# KiCad board FC_Board_v3.kicad_pcb
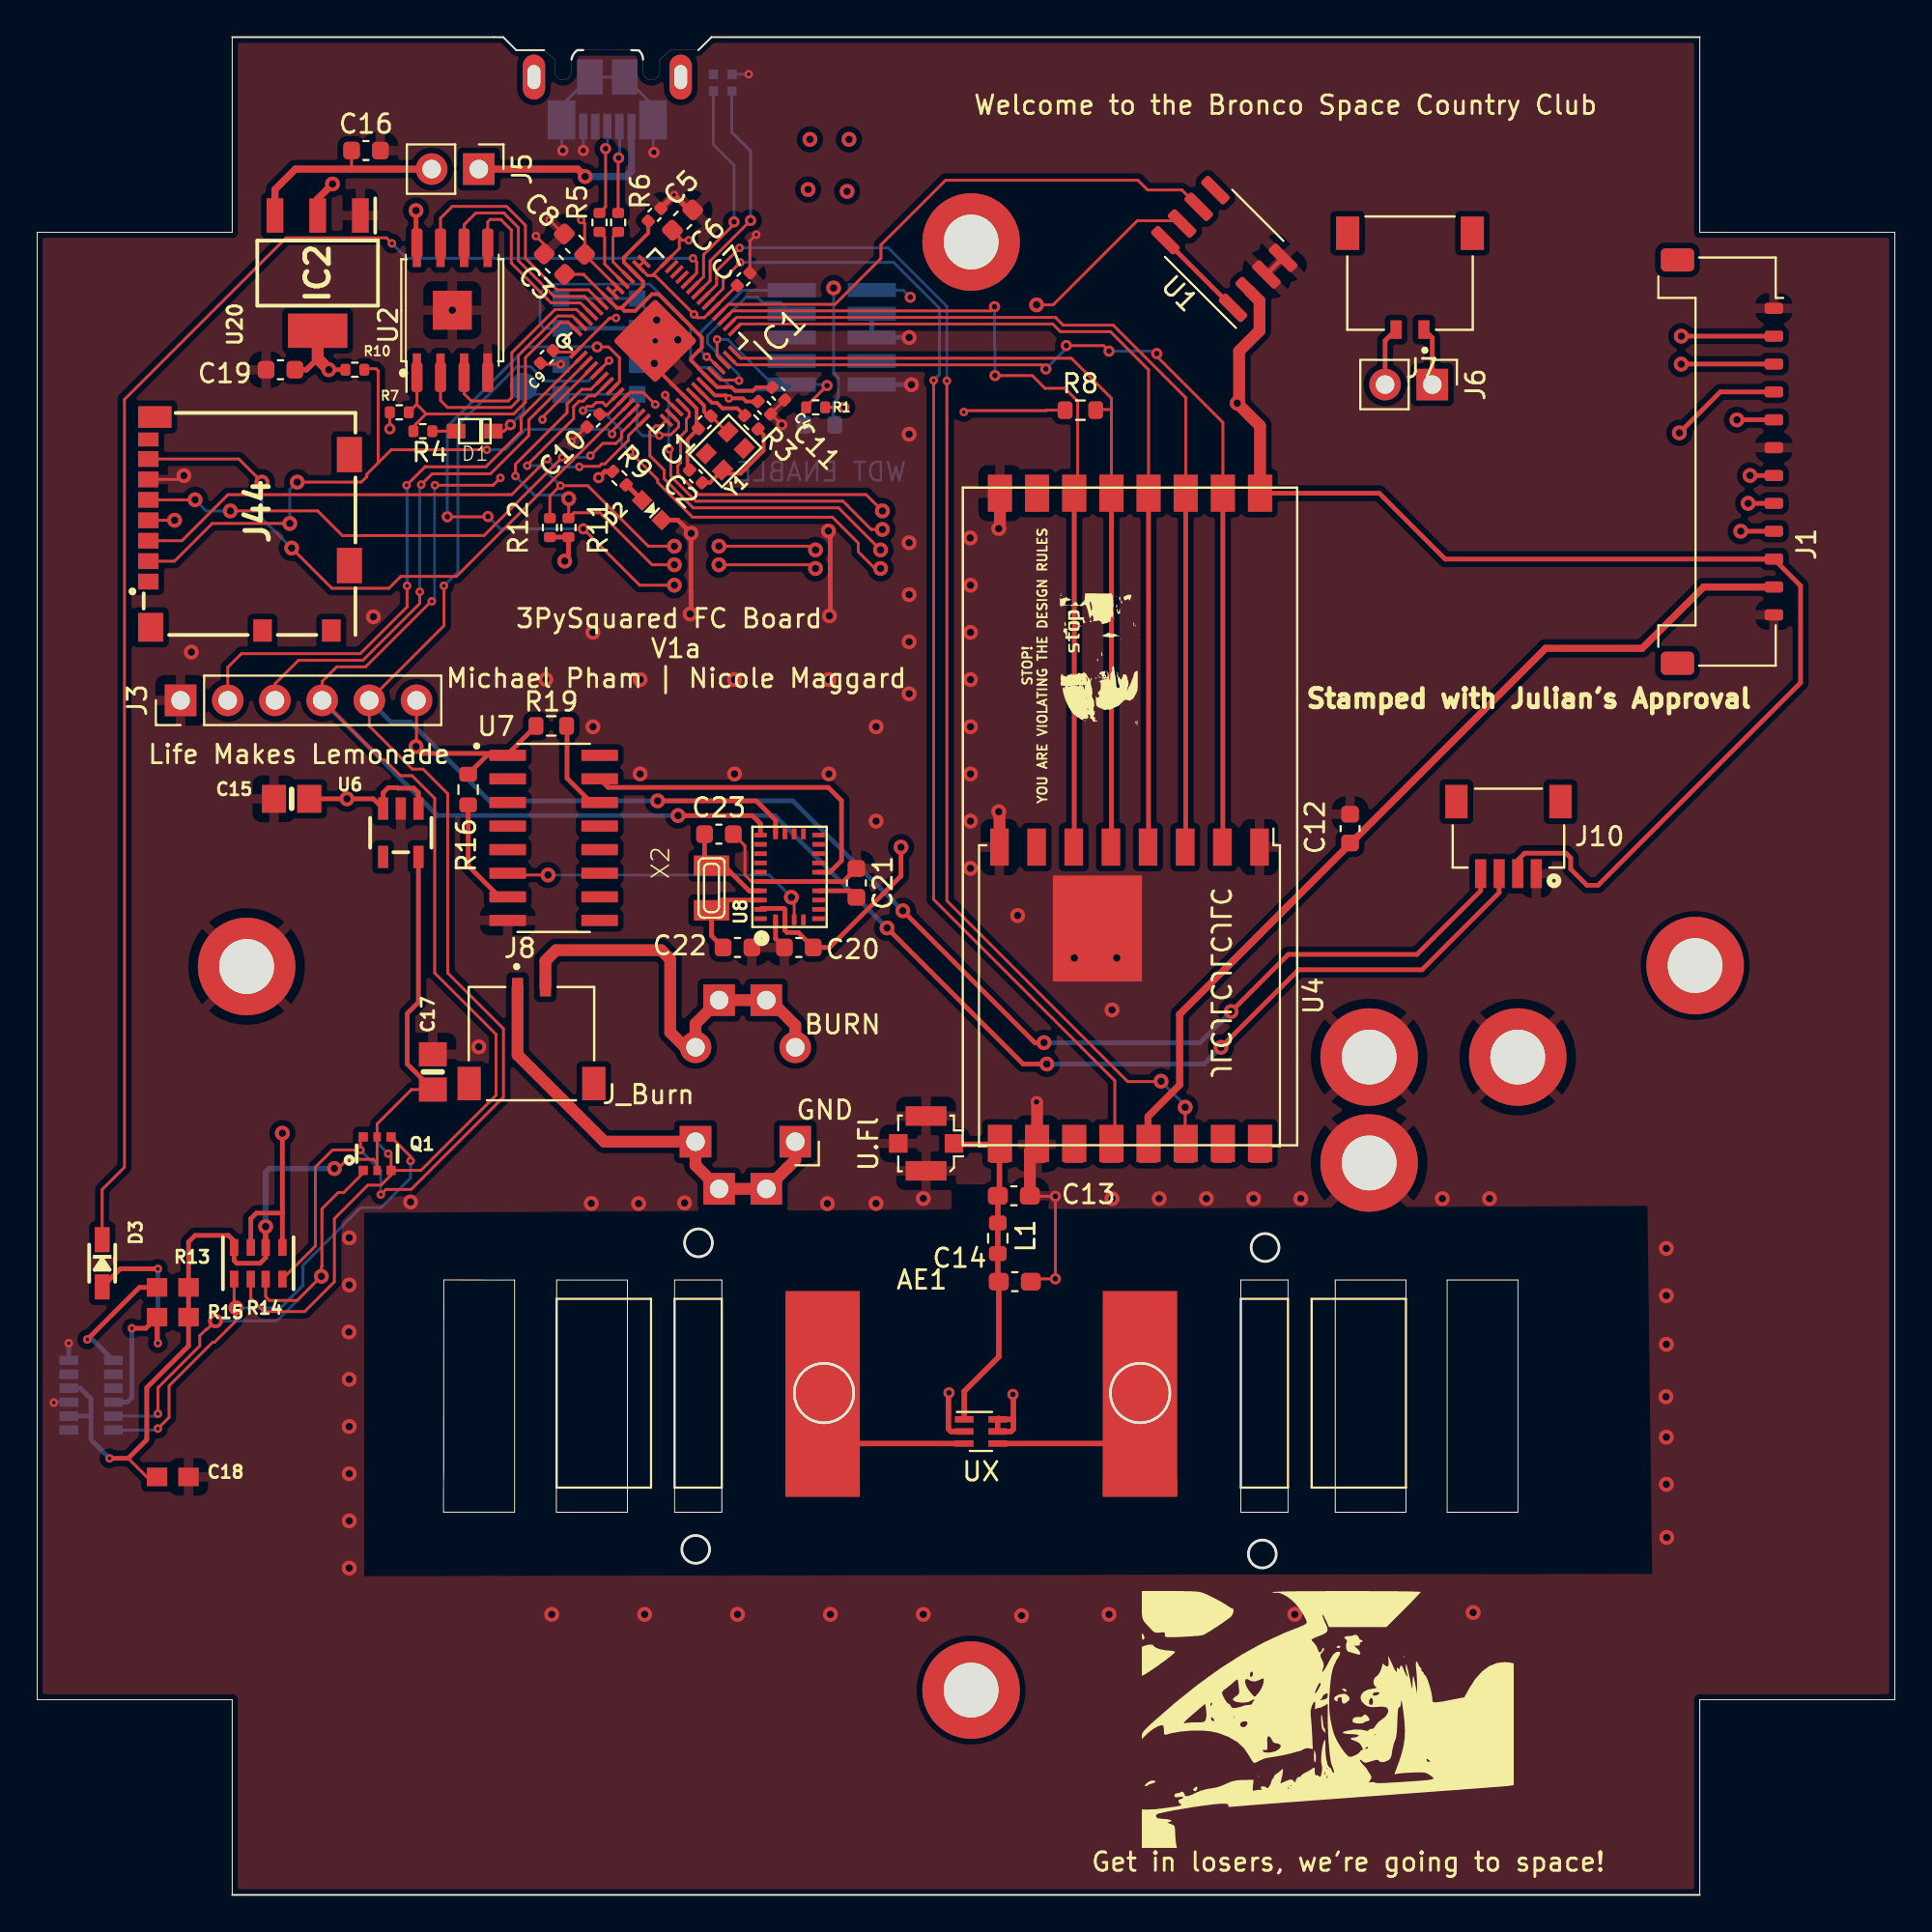
[diagram p0: board, top side]
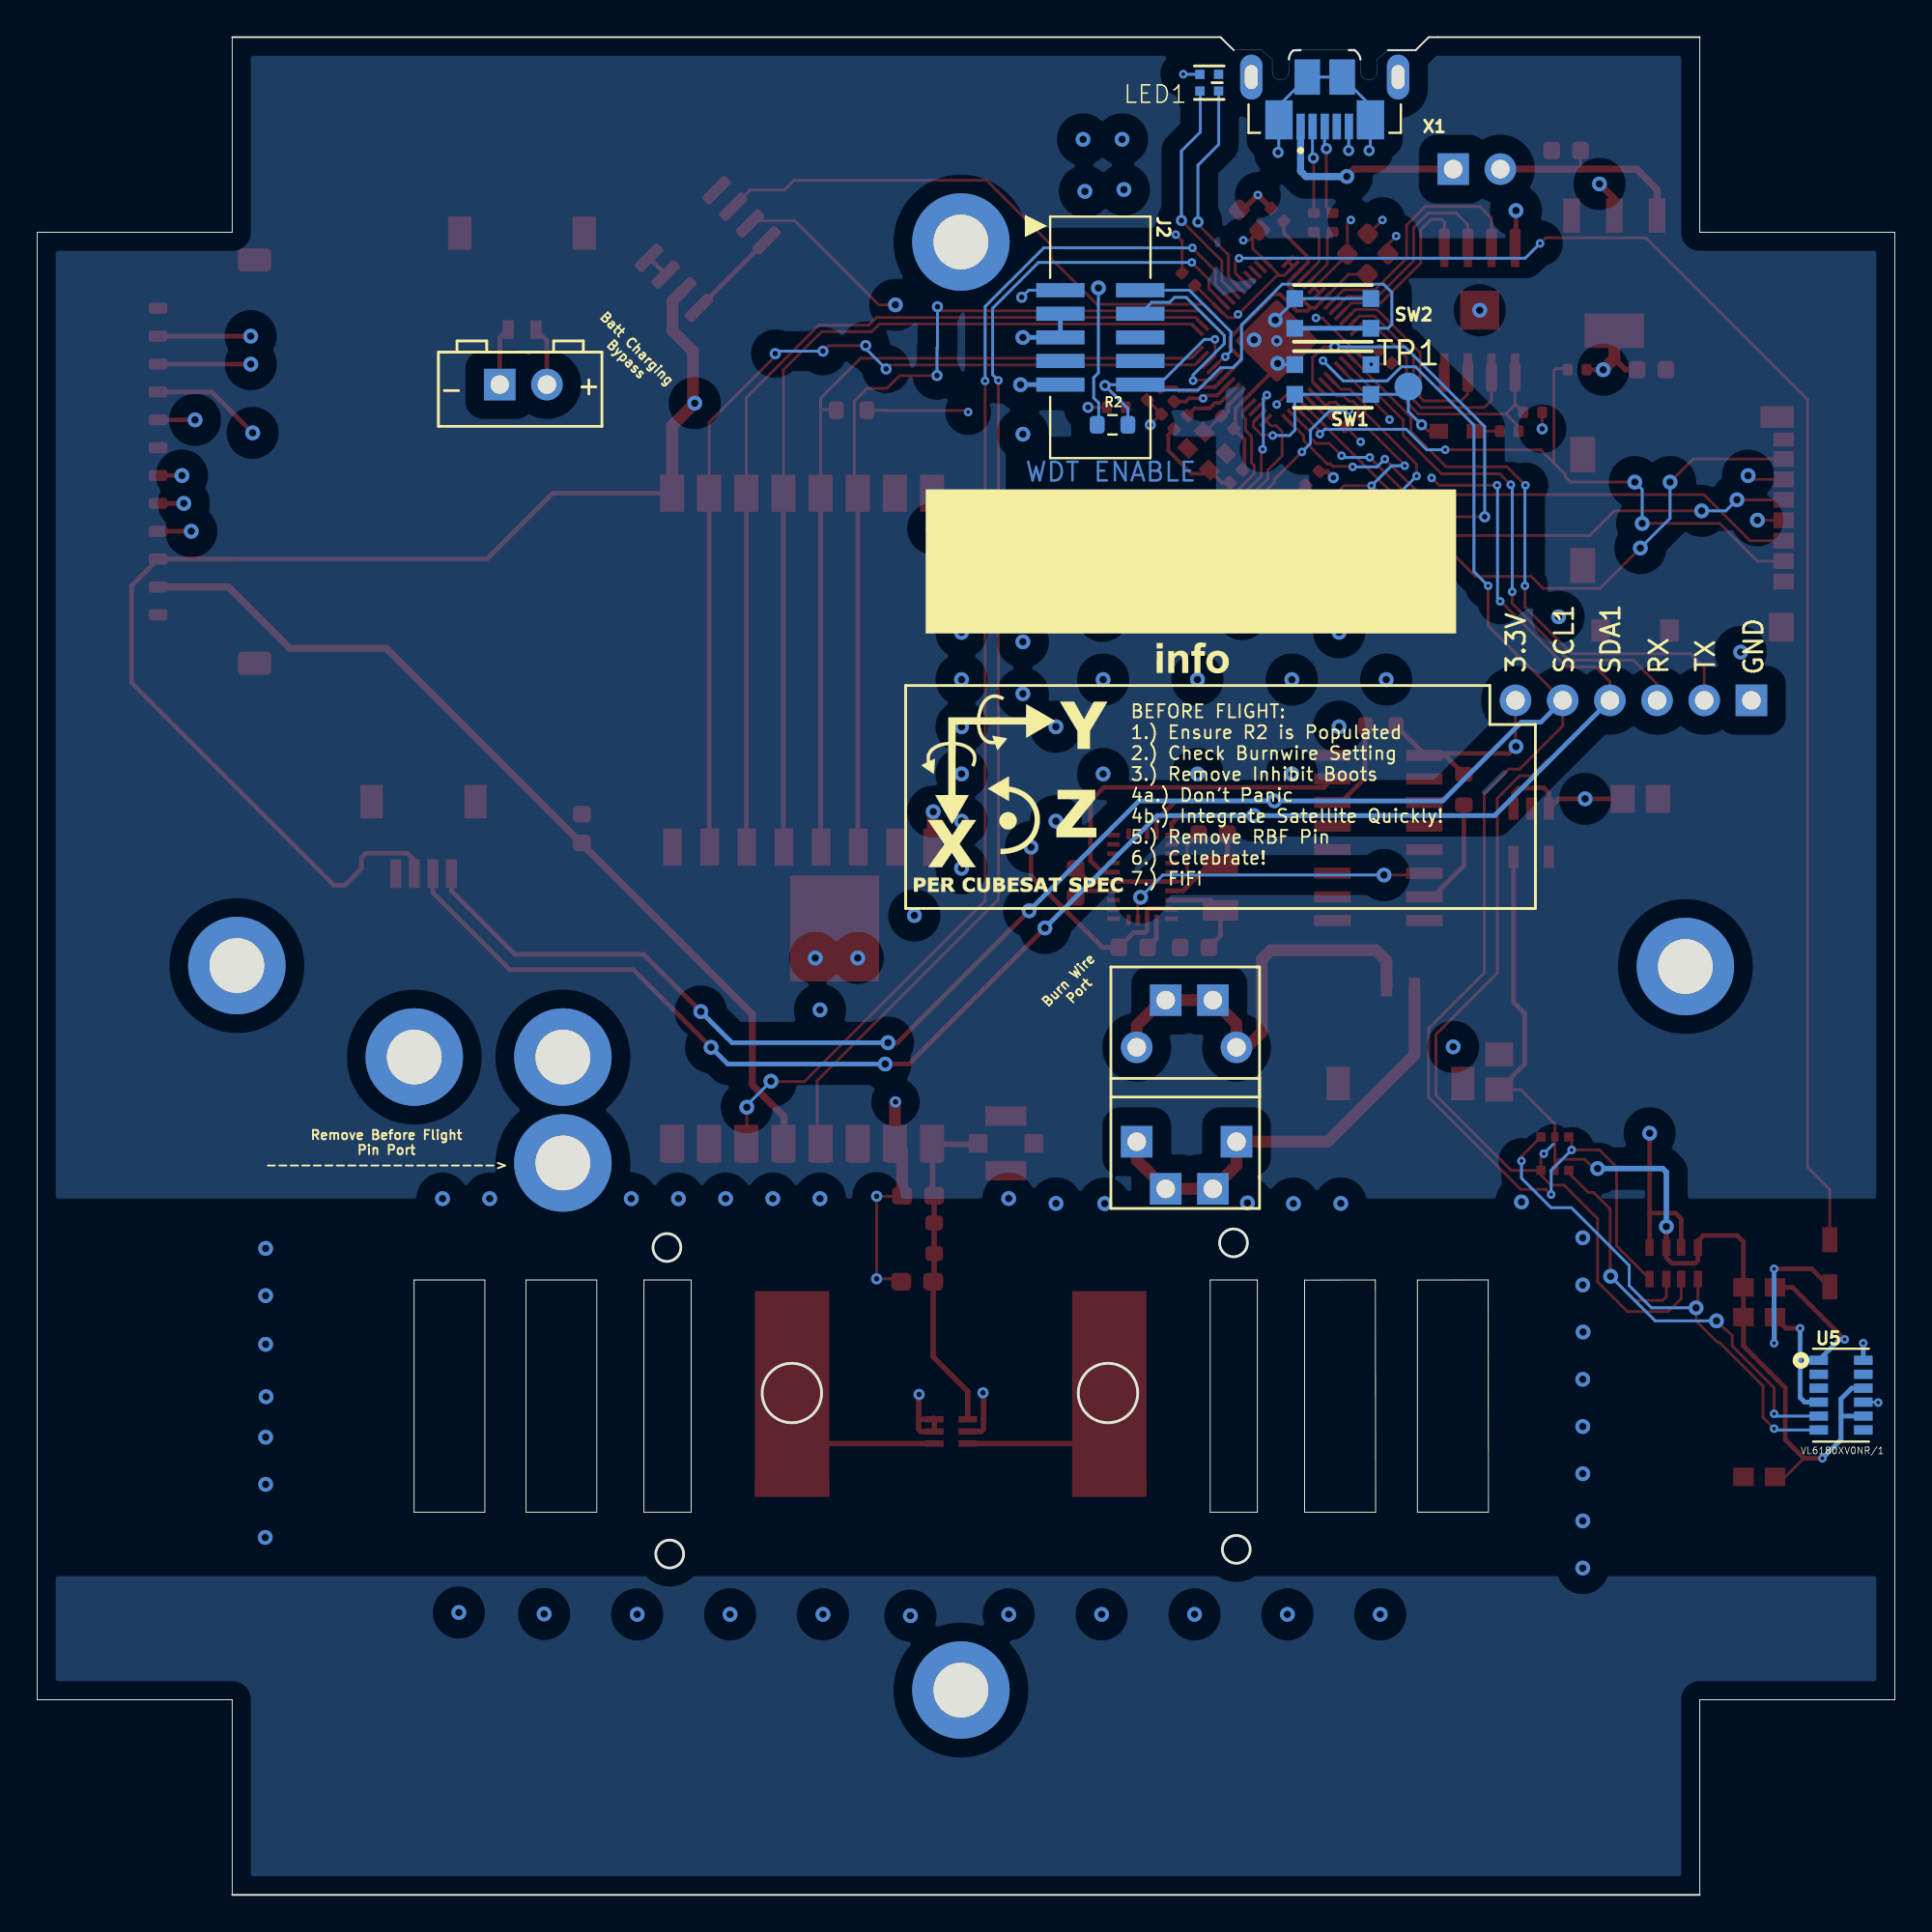
[diagram p1: board, bottom side, seen from below]

Outline 100 x 100 mm; copper layers: Top, In1.Cu, In2.Cu, Bottom. Coordinates in mm from the lower left corner of the outline.
Outline path: circle c35.45,18.6 r0.75 ; circle c35.6,35.1 r0.75 ; circle c42.36,27.01 r1.6 ; circle c59.37,27.01 r1.6 ; circle c65.95,18.35 r0.75 ; circle c66.1,34.85 r0.75 ; 27.29,99.3 25.79,99.3 25.09,100 24.6,100 10.5,100 10.5,89.5 0,89.5 0,10.5 10.5,10.5 10.5,0 89.5,0 89.5,10.5 100,10.5 100,89.5 89.5,89.5 89.5,100 36.3,100 35.59,99.3 ; 21.88,20.6 25.7,20.6 25.7,33.1 21.89,33.1 21.88,20.6 ; 27.95,20.6 31.77,20.6 31.77,33.09 27.96,33.1 27.95,20.6 ; 34.31,33.1 36.85,33.1 36.85,20.6 34.31,20.6 34.31,33.1 ; 64.79,33.1 64.79,20.6 67.33,20.6 67.33,33.1 64.79,33.1 ; 69.87,33.1 69.87,20.6 73.68,20.6 73.68,33.1 69.87,33.1 ; 75.9,33.1 75.9,20.6 79.71,20.6 79.71,33.1 75.9,33.1
Stack: Top 0.035mm / dielectric 0.2104mm FR4 er 4.5 / In1.Cu 0.0152mm / dielectric 1.065mm FR4 er 4.5 / In2.Cu 0.0152mm / dielectric 0.2104mm FR4 er 4.5 / Bottom 0.035mm

## Placement (name value [footprint] x y rotation side)
AE1  UHF_Dipole_Antenna  [UHF_Dipole_Antenna_Mount]  50.82 28.27 0 top
C1  22pF  [C_0402_1005Metric]  35.93 79.27 45 top
C2  22pF  [C_0402_1005Metric]  35.46 76.36 315 top
C3  1uF  [C_0603_1608Metric]  27.85 87.78 135 top
C4  0.1uF  [C_0402_1005Metric]  39.9 80.81 135 top
C5  0.1uF  [C_0402_1005Metric]  33.23 90.44 225 top
C6  1uF  [C_0603_1608Metric]  34.74 90.15 45 top
C7  0.1uF  [C_0402_1005Metric]  38.03 86.97 45 top
C8  1uF  [C_0603_1608Metric]  28.92 88.86 135 top
C9  0.1uF  [C_0402_1005Metric]  27.43 82.79 225 top
C10  0.1uF  [C_0402_1005Metric]  29.94 79.36 225 top
C11  0.1uF  [C_0402_1005Metric]  39.14 80.05 315 top
C12  10uF  [C_0603_1608Metric]  70.67 57.4 270 top
C13  DNI  [C_0603_1608Metric_Pad1.08x0.95mm_HandSolder]  52.58 37.63 0 top
C14  DNI  [C_0603_1608Metric_Pad1.08x0.95mm_HandSolder]  52.63 33.01 0 top
C15  10uF  [0805-NO]  13.7 59 180 top
C16  10uF  [C_0603_1608Metric]  17.7 93.9 0 top
C17  10uF  [0805-NO]  21.3 44.3 90 top
C18  0.1uF  [0603-NO]  7.3 22.5 0 top
C19  22uF  [C_0603_1608Metric]  13.1 82.1 180 top
C20  0.1uF  [C_0603_1608Metric]  41 51 180 top
C21  0.1uF  [C_0603_1608Metric]  44.1 54.47 270 top
C22  22pF  [C_0603_1608Metric]  37.7 51 0 top
C23  22pF  [C_0603_1608Metric]  36.7 57.1 0 top
D1  NSR0320  [SOD-323F]  23.56 78.79 0 top
D2  RED  [CHIPLED_0603_NOOUTLINE]  33.09 74.54 225 top
D3  1N4148  [SOD-323]  3.5 34 270 top
G***  -  [LOGO]  57.15 65.87 90 top
G***#2  -  [LOGO]  69.47 9.47 0 top
G***#3  -  [LOGO]  27.95 4.85 0 top
G***#4  -  [LOGO]  58.42 70.5 180 bottom
G***#5  -  [LOGO]  64.29 66.06 180 bottom
G***#6  -  [LOGO]  44.05 46.1 180 bottom
G***#7  -  [LOGO]  70.87 61.35 180 bottom
G***#8  -  [LOGO]  76 91.5 180 bottom
G***#9  -  [LOGO]  71.17 70.05 180 bottom
G***#10  -  [LOGO]  81.47 66.65 180 bottom
G***#11  -  [LOGO]  61.95 9.35 180 bottom
G***#12  -  [LOGO]  58.8 61.17 180 bottom
G***#13  -  [LOGO]  75.45 8.1 180 bottom
IC1  RP2040_QFN56  [QFN56_7MM_REDUCEDEPAD]  33.27 83.65 45 top
IC2  AZ1117CH-3.3TRG1  [SOT230P700X180-4N]  15.1 87.3 270 top
J1  FC to EPS Connector  [Molex_Pico-Lock_504050-1291_1x12-1MP_P1.50mm_Horizontal]  90.69 77.15 270 top
J2  Conn_ARM_JTAG_SWD_10  [MountingHoles]  50.27 11.02 90 top
J2#2  Conn_ARM_JTAG_SWD_10  [2X05_1.27MM_BOX_POSTS]  42.77 83.84 270 bottom
J3  FC to EPS Connector  [PinHeader_1x06_P2.54mm_Vertical]  7.72 64.3 90 top
J3#2  FC to EPS Connector  [MountingHoles]  11.27 49.97 90 bottom
J4  104031-0811  [MountingHoles]  89.25 50.02 90 bottom
J5  usb jumper  [MountingHoles]  50.27 88.97 90 top
J5#2  usb jumper  [PinHeader_1x02_P2.54mm_Vertical]  23.77 92.9 270 top
J6  Battery Charge Bypass  [PinHeader_1x02_P2.54mm_Vertical]  75.1 81.3 270 top
J7  Battery Charge Bypass  [MOLEX_504050-0291]  73.9 87.3 180 top
J8  FC to EPS Connector  [MOLEX_504050-0291]  26.61 45.82 0 top
J10  SM04B-SRSS-TB(LF)(SN)  [JST_SM04B-SRSS-TB(LF)(SN)]  79.2 54.97 180 top
J44  104031-0811  [1040310811]  5.73 73.8 270 top
J_Burn  Conn_01x02  [Burn_Wire_Connection]  43.06 36.73 180 top
L1  DNI  [R_0603_1608Metric]  51.71 35.34 270 top
LED1  WS2812B_SK6805_1515  [SK6805_1515]  36.9 97.55 180 bottom
NOREF  -  [unnamed]  79.7 45.1 0 top
NOREF#2  -  [unnamed]  71.7 45.1 0 top
NOREF#3  -  [unnamed]  71.7 39.4 0 top
Q1  BSS138  [SOT363]  18.3 39.9 0 top
R1  10K  [R_0402_1005Metric]  41.91 80.07 180 top
R2  10k  [R_0603_1608Metric]  42.11 79.13 0 bottom
R3  1K  [R_0402_1005Metric]  38.44 79.27 135 top
R4  1K  [R_0402_1005Metric]  20.76 78.79 0 top
R5  22  [R_0402_1005Metric]  30.27 90.03 270 top
R6  22  [R_0402_1005Metric]  31.28 90.03 270 top
R7  10k  [R_0402_1005Metric]  19.49 79.81 0 top
R8  10k  [R_0603_1608Metric]  56.16 79.92 0 top
R9  1K  [R_0402_1005Metric]  31.34 76.26 315 top
R10  10k  [R_0402_1005Metric]  17.1 82.1 180 top
R11  10K  [R_0402_1005Metric]  28.6 73.6 90 top
R12  10K  [R_0402_1005Metric]  27.6 73.6 90 top
R13  10K  [0603-NO]  7.3 32.7 0 top
R14  10K  [RESPACK_4X0603]  11.9 34 180 top
R15  10K  [0603-NO]  7.3 31.1 0 top
R16  10k  [R_0603_1608Metric]  23.2 59.5 90 top
R19  10k  [R_0603_1608Metric]  27.67 62.92 180 top
REF**  VAL**  [board_info_block]  37.9 70.7 180 bottom
REF**#2  Val**  [XYZ_cubesat-top]  47.25 58.9 180 bottom
SW1  KMR2  [BTN_KMR2_4.6X2.8]  30.25 81.57 0 bottom
SW2  KMR2  [BTN_KMR2_4.6X2.8]  30.25 85.13 0 bottom
TP1  TESTPOINTROUND1.5MMNO  [TESTPOINT_ROUND_1.5MM_NO]  26.19 81.19 180 bottom
U1  MAX706RESA  [SO-8_3.9x4.9mm_P1.27mm]  63.9 88.6 135 top
U2  W25Q128JV  [SOIC-8_5.275x5.275mm_P1.27mm]  22.35 85.3 90 top
U3  RFM98PW  [RFM95PW]  59.33 58.05 270 top
U4  RFM9xBreakout  [HOPERF_RFM9XW_SMD]  58.8 48.4 270 top
U5  VL6180XV0NR/1  [VL6180]  2.9 26.9 180 bottom
U6  LP5907-2.8V  [SOT23-5]  19.57 57.17 180 top
U7  74AHC4050  [SOIC127P600X175-16N]  27.8 56.9 0 top
U8  -  [BNO080]  40.5 54.8 90 top
U20  DNI  [SON127P600X500X90-9N]  22.35 85.3 90 top
U.Fl  -  [U.FL_Molex_MCRF_73412-0110_Vertical]  47.85 40.45 90 top
UX  RFM98PW  [Balun_Johanson_5400BL15B050E]  50.8 24.95 0 top
X1  microUSB  [MOLEX_105164-0001]  30.69 99.3 0 bottom
X2  32.768  [XTAL3215]  36.3 54.2 270 top
Y1  12MHZ  [CRYSTAL_2.5X2]  37.04 77.72 45 top

## Library data of the parts
C12 = -: Description: 10uF +-20% 10V X5R
IC2 = -: Description: 1.35A 3.3V LDO Reg. Current Limit SOT223 DiodesZetex AZ1117CH-3.3TRG1, LDO Voltage Regulator, 0.8A, 3.3 V +/-1%, maximum of 15 Vin, 3-Pin SOT-223; Height: 1.8; Manufacturer_Name: Diodes Inc.; Mouser Part Number: 621-AZ1117CH-3.3TRG1; Mouser Price/Stock: https://www.mouser.co.uk/ProductDetail/Diodes-Incorporated/AZ1117CH-3.3TRG1?qs=FKu9oBikfSm7ntaG6olPSQ%3D%3D
J4 J44 = -: Description: microSD 1.10mm SMT push-pull memory card microSD 1.10mm SMT push-pull memory card; Flight: 5031821852; Manufacturer_Name: Molex; Mouser Part Number: 538-104031-0811; Mouser Price/Stock: https://www.mouser.co.uk/ProductDetail/Molex/104031-0811?qs=udsGRKD4nA3Tvy7wqky%252BuA%3D%3D; Proto: 5031821852
J10 = -: MANUFACTURER: JST; STANDARD: Manufacturer recommendations
R2 = -: Description: 10k 0603; DNI: DNI
R8 = -: Description: 10k 0603
R16 R19 = -: Description: 100K 0603
U1 = -: Description: Watch-dog Timer; Manufacturer_Name: Maxim Integrated
U3 = -: Description: 433 MHz 1W Radio; Manufacturer_Name: HopeRF; Field8: RADIO 2
U4 = -: DNI: DNI
UX = -: Description: 433 MHz 1W Radio; Manufacturer_Name: HopeRF

## Footprints (pads in the part's own frame, mm; a bottom-side part is the same pattern mirrored in y, then rotated)
2X05_1.27MM_BOX_POSTS
  rect 0.76x2.6 smd: 1(-2.54,-2.15) 2(-2.54,2.15) 3(-1.27,-2.15) 4(-1.27,2.15) 5(0,-2.15) 6(0,2.15) 7(1.27,-2.15) 8(1.27,2.15) 9(2.54,-2.15) 10(2.54,2.15)
0603-NO
  rect 1.1x1 smd: 1(-0.85,0) 2(0.85,0)
0805-NO
  rect 1.3x1.5 smd: 1(-0.95,0) 2(0.95,0)
1040310811
  rect 0.85x1.1 smd: 1(3.105,0.25) 2(2.005,0.25) 3(0.905,0.25) 4(-0.195,0.25) 5(-1.295,0.25) 6(-2.395,0.25) 7(-3.495,0.25)
  rect 0.75x1.1 smd: 8(-4.545,0.25)
  rect 1.17x1.8 smd: 9(-5.755,0.6)
  rect 1.9x1.35 smd: 10(-3.73,11.075) 11(2.24,11.075)
  rect 1.2x1 smd: 12(5.74,10.1) 13(5.74,6.4)
  rect 1.55x1.35 smd: 14(5.565,0.375)
Balun_Johanson_5400BL15B050E
  rect 1x0.35 smd: 1(-0.9,0.65) 2(-0.9,0) 3(-0.9,-0.65) 4(0.9,-0.65) 5(0.9,0) 6(0.9,0.65)
BNO080
  rect 0.25x0.675 smd: 1(-2.25,1.562) 6(-2.25,-1.562) 7(-1.75,-1.562) 8(-1.25,-1.562) 9(-0.75,-1.562) 10(-0.25,-1.562) 11(0.25,-1.562) 12(0.75,-1.562) 13(1.25,-1.562) 14(1.75,-1.562) 15(2.25,-1.562) 20(2.25,1.562) 21(1.75,1.562) 22(1.25,1.562) 23(0.75,1.562) 24(0.25,1.562) 25(-0.25,1.562) 26(-0.75,1.562) 27(-1.25,1.562) 28(-1.75,1.562)
  rect 0.575x0.25 smd: 2(-2.312,0.75) 3(-2.312,0.25) 4(-2.312,-0.25) 5(-2.312,-0.75) 16(2.312,-0.75) 17(2.312,-0.25) 18(2.312,0.25) 19(2.312,0.75)
BTN_KMR2_4.6X2.8
  rect 0.9x0.9 smd: A(2.05,0.8) A'(-2.05,0.8) B(2.05,-0.8) B'(-2.05,-0.8)
Burn_Wire_Connection
  rect 1.7x1.7 hole 1: 1(2.25,-3.81) 1(3.81,-1.27) 1(6.35,-1.27) 1(7.62,-3.81) 2(3.81,-11.43) 2(6.35,-11.43)
  oval 1.7x1.7 hole 1: 2(2.25,-8.89) 2(7.62,-8.89)
C_0402_1005Metric
  rrect 0.56x0.62 smd: 1(-0.48,0) 2(0.48,0)
C_0603_1608Metric
  rrect 0.9x0.95 smd: 1(-0.775,0) 2(0.775,0)
C_0603_1608Metric_Pad1.08x0.95mm_HandSolder
  rrect 1.075x0.95 smd: 1(-0.863,0) 2(0.863,0)
CHIPLED_0603_NOOUTLINE
  rect 0.8x0.8 smd: A(0,-0.75) C(0,0.75)
CRYSTAL_2.5X2
  rect 0.9x0.75 smd: 1(-0.825,-0.625) 2(0.825,-0.625) 3(0.825,0.625) 4(-0.825,0.625)
HOPERF_RFM9XW_SMD
  rect 2x1 smd: 1(-8,7) 2(-8,5) 3(-8,3) 4(-8,1) 5(-8,-1) 6(-8,-3) 7(-8,-5) 8(-8,-7) 9(8,-7) 10(8,-5) 11(8,-3) 12(8,-1) 13(8,1) 14(8,3) 15(8,5) 16(8,7)
JST_SM04B-SRSS-TB(LF)(SN)
  rect 0.6x1.55 smd: (-0.5,0) 1(-1.5,0) 3(0.5,0) 4(1.5,0)
  rect 1.2x1.8 smd: S1(-2.8,-3.875) S2(2.8,-3.875)
MOLEX_105164-0001
  rect 0.45x1.38 smd: 1(1.3,4.11) 2(0.65,4.11) 3(0,4.11) 4(-0.65,4.11) 5(-1.3,4.11)
  oval 1.208x2.416 hole 0.7x1.3: SH1(-3.95,1.45) SH6(3.95,1.45)
  rect 1.475x2.1 smd: SH2(-2.462,3.75) SH5(2.462,3.75)
  rect 1.375x1.9 smd: SH3(-0.938,1.45) SH4(0.938,1.45)
MOLEX_504050-0291
  rect 0.6x1 smd: 1(-0.75,3.04) 2(0.75,3.04)
  rect 1.25x1.8 smd: S1(-3.355,-2.15) S2(3.355,-2.15)
Molex_Pico-Lock_504050-1291_1x12-1MP_P1.50mm_Horizontal
  rrect 0.6x1 smd: 1(-8.25,2.795) 2(-6.75,2.795) 3(-5.25,2.795) 4(-3.75,2.795) 5(-2.25,2.795) 6(-0.75,2.795) 7(0.75,2.795) 8(2.25,2.795) 9(3.75,2.795) 10(5.25,2.795) 11(6.75,2.795) 12(8.25,2.795)
  rrect 1.25x1.8 smd: MP(-10.855,-2.395) MP(10.855,-2.395)
MountingHoles
  round 5.25 hole 2.95: 1(0,0)
PinHeader_1x02_P2.54mm_Vertical
  rect 1.7x1.7 hole 1: 1(0,0)
  oval 1.7x1.7 hole 1: 2(0,-2.54)
PinHeader_1x06_P2.54mm_Vertical
  rect 1.7x1.7 hole 1: 1(0,0)
  oval 1.7x1.7 hole 1: 2(0,-2.54) 3(0,-5.08) 4(0,-7.62) 5(0,-10.16) 6(0,-12.7)
QFN56_7MM_REDUCEDEPAD
  rect 0.875x0.2 smd: 1(-3.45,2.6) 2(-3.45,2.2) 3(-3.45,1.8) 4(-3.45,1.4) 5(-3.45,1) 6(-3.45,0.6) 7(-3.45,0.2) 8(-3.45,-0.2) 9(-3.45,-0.6) 10(-3.45,-1) 11(-3.45,-1.4) 12(-3.45,-1.8) 13(-3.45,-2.2) 14(-3.45,-2.6) 29(3.45,-2.6) 30(3.45,-2.2) 31(3.45,-1.8) 32(3.45,-1.4) 33(3.45,-1) 34(3.45,-0.6) 35(3.45,-0.2) 36(3.45,0.2) 37(3.45,0.6) 38(3.45,1) 39(3.45,1.4) 40(3.45,1.8) 41(3.45,2.2) 42(3.45,2.6)
  rect 0.2x0.875 smd: 15(-2.6,-3.45) 16(-2.2,-3.45) 17(-1.8,-3.45) 18(-1.4,-3.45) 19(-1,-3.45) 20(-0.6,-3.45) 21(-0.2,-3.45) 22(0.2,-3.45) 23(0.6,-3.45) 24(1,-3.45) 25(1.4,-3.45) 26(1.8,-3.45) 27(2.2,-3.45) 28(2.6,-3.45) 43(2.6,3.45) 44(2.2,3.45) 45(1.8,3.45) 46(1.4,3.45) 47(1,3.45) 48(0.6,3.45) 49(0.2,3.45) 50(-0.2,3.45) 51(-0.6,3.45) 52(-1,3.45) 53(-1.4,3.45) 54(-1.8,3.45) 55(-2.2,3.45) 56(-2.6,3.45)
  rrect 3.2x3.2 smd: P$1(0,0)
R_0402_1005Metric
  rrect 0.54x0.64 smd: 1(-0.51,0) 2(0.51,0)
R_0603_1608Metric
  rrect 0.8x0.95 smd: 1(-0.825,0) 2(0.825,0)
RESPACK_4X0603
  rect 0.45x0.9 smd: 1(-1.3,-0.85) 2(-0.4,-0.85) 3(0.4,-0.85) 4(1.3,-0.85) 5(1.3,0.85) 6(0.4,0.85) 7(-0.4,0.85) 8(-1.3,0.85)
RFM95PW
  rect 2x1.3 smd: 1(17.6,-7.5) 2(17.6,-5.5) 3(17.6,-3.5) 4(17.6,-1.5) 5(17.6,0.5) 6(17.6,2.5) 7(17.6,4.5) 8(17.6,6.5) 9(-17.4,6.5) 10(-17.4,4.5) 11(-17.4,2.5) 12(-17.4,0.5) 13(-17.4,-1.5) 14(-17.4,-3.5) 15(-17.4,-5.5) 16(-17.4,-7.5)
  rect 5.7x4.8 smd: 17(6.032,-2.25)
SK6805_1515
  rect 0.5x0.5 smd: 1(-0.5,-0.45) 2(0.5,-0.45) 3(0.5,0.45) 4(-0.5,0.45)
SO-8_3.9x4.9mm_P1.27mm
  rrect 1.75x0.6 smd: 1(-2.575,1.905) 2(-2.575,0.635) 3(-2.575,-0.635) 4(-2.575,-1.905) 5(2.575,-1.905) 6(2.575,-0.635) 7(2.575,0.635) 8(2.575,1.905)
SOD-323
  rect 1.35x0.8 smd: A(1.27,0) C(-1.27,0)
SOD-323F
  rect 1x0.8 smd: A(-1,0) C(1,0)
SOIC127P600X175-16N
  rrect 1.97x0.6 smd: 1(-2.475,4.445) 2(-2.475,3.175) 3(-2.475,1.905) 4(-2.475,0.635) 5(-2.475,-0.635) 6(-2.475,-1.905) 7(-2.475,-3.175) 8(-2.475,-4.445) 9(2.475,-4.445) 10(2.475,-3.175) 11(2.475,-1.905) 12(2.475,-0.635) 13(2.475,0.635) 14(2.475,1.905) 15(2.475,3.175) 16(2.475,4.445)
SOIC-8_5.275x5.275mm_P1.27mm
  rrect 1.6x0.6 smd: 1(-3.6,1.905) 2(-3.6,0.635) 3(-3.6,-0.635) 4(-3.6,-1.905) 5(3.6,-1.905) 6(3.6,-0.635) 7(3.6,0.635) 8(3.6,1.905)
SON127P600X500X90-9N
  rect 1.05x0.45 smd: 1(-2.85,1.905) 2(-2.85,0.635) 3(-2.85,-0.635) 4(-2.85,-1.905) 5(2.85,-1.905) 6(2.85,-0.635) 7(2.85,0.635) 8(2.85,1.905)